# Altium PCB main.PcbDoc (part 2 of 2)
Units mm, origin at the board's own origin, x right, y up, seen from the top; angles counter-clockwise.
Board outline 50 x 45 mm, 4 copper layers (Top Layer, GND, PWR, Bottom Layer), stack 1.561 mm thick; 115 components, 52 nets, 345 pads, 209 vias.
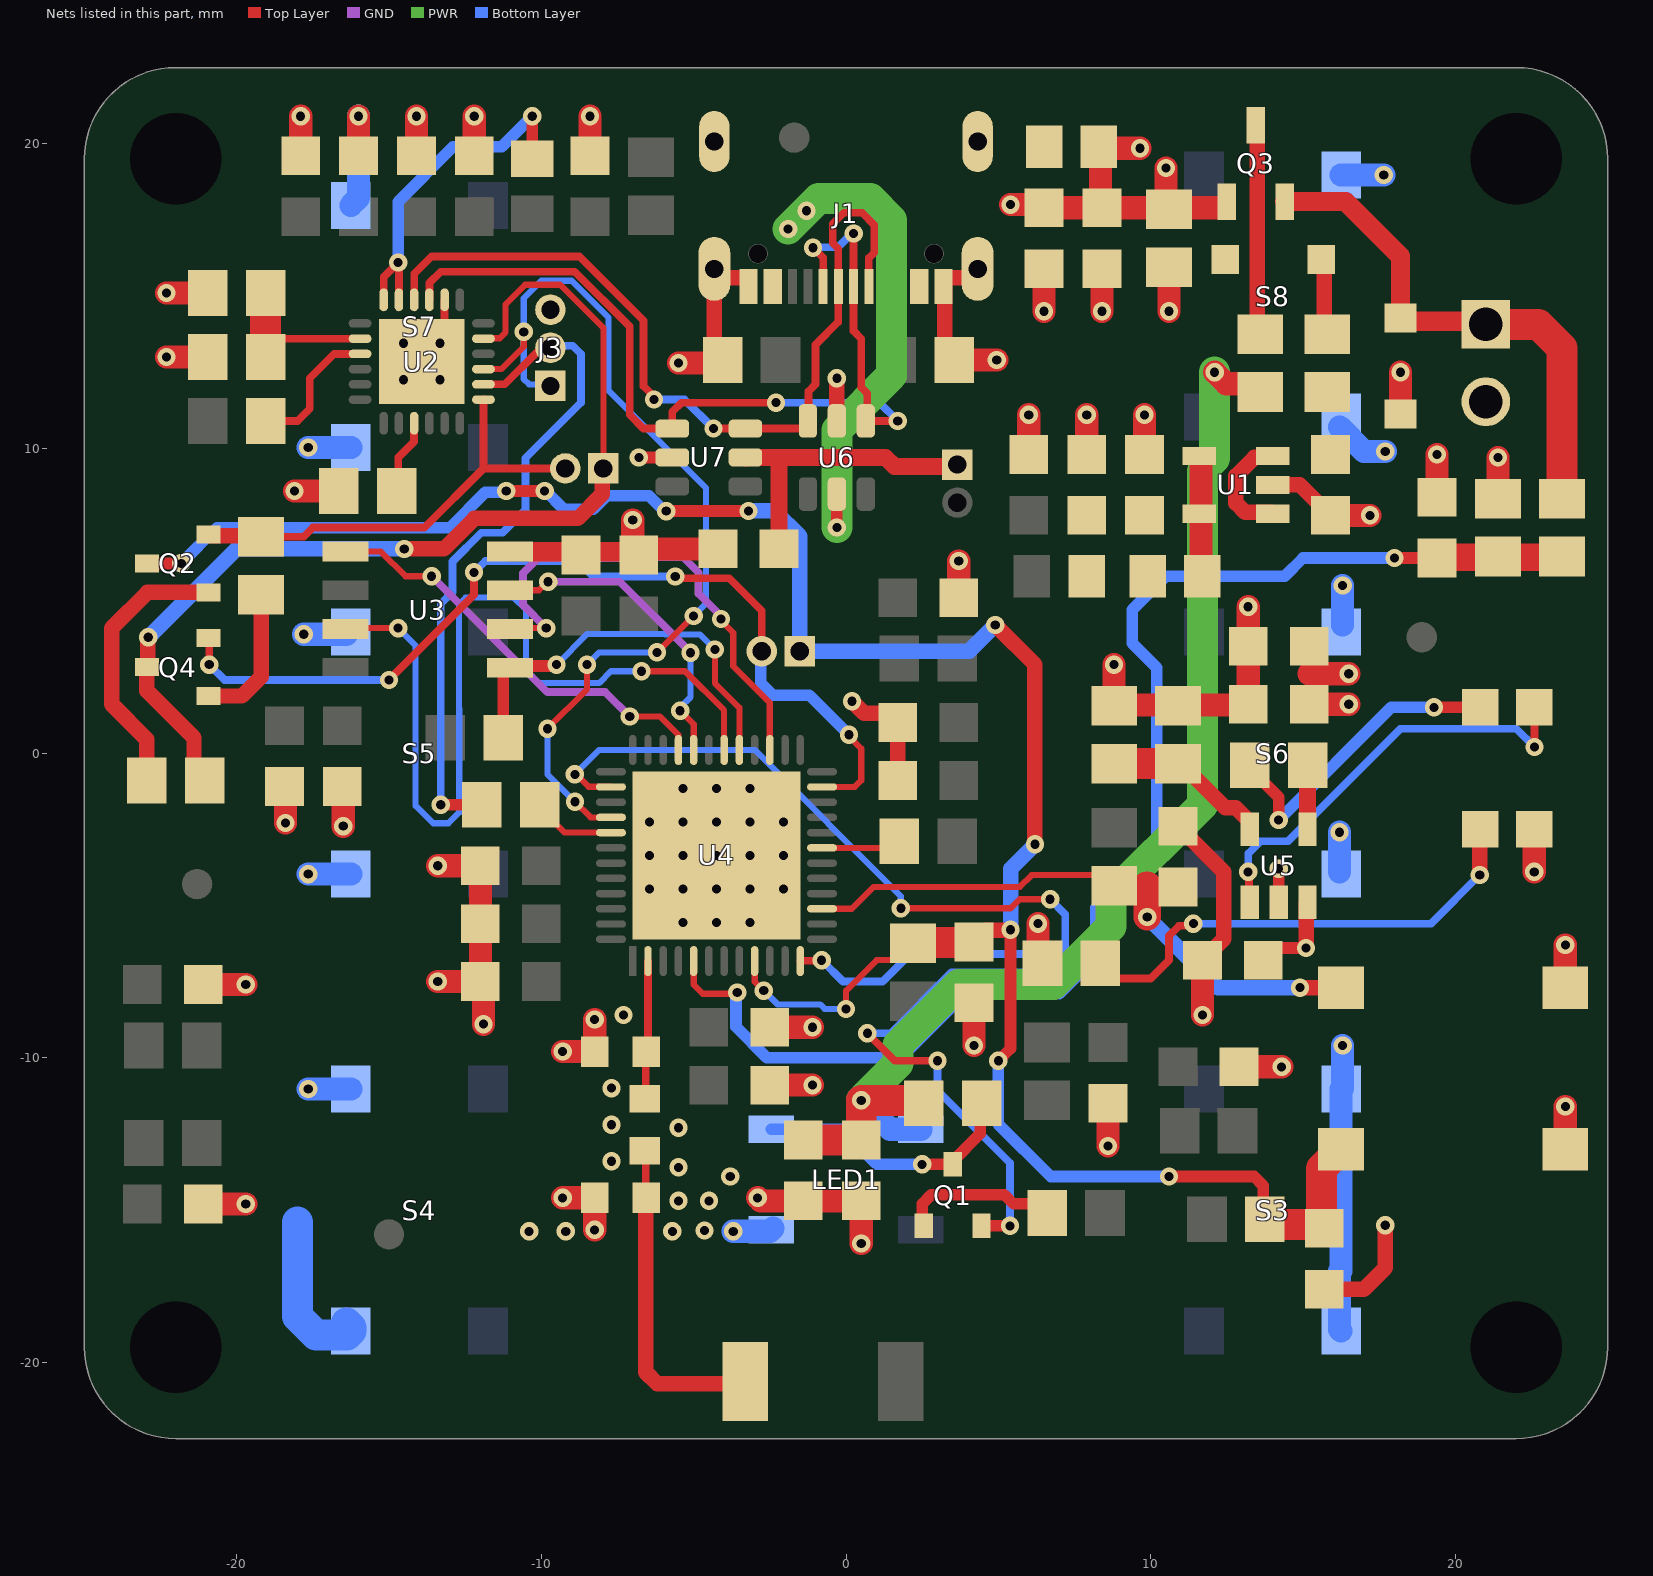
[diagram p4: the nets of this part, all layers, seen from the top]

## Via types
v1: diameter 0.6, hole 0.3, Top Layer to Bottom Layer, tented both sides, 183 vias
v2: diameter 0.66, hole 0.3, Top Layer to Bottom Layer, 21 vias
v3: diameter 0.6, hole 0.3, Top Layer to Bottom Layer, 4 vias
v4: diameter 0.6/0.6/0.6/0.6 (per signal layer), hole 0.3, Top Layer to Bottom Layer, tented both sides, 1 vias

## Nets (pads, with @x,y where several pads share a name; then routed paths per layer and width w, separated by ;. In a path a pad name is that pad's centre, name@x,y a point inside that pad or via, vN(x,y) a via of type N, cw(c..) or ccw(c..) an arc to the next point about the centre after c; other vN are vias at no path point) (continued)
D_LED: Q1.2 U4.38 | length 39.3
  Top Layer w0.203: v1(-8.9,-0.7) -8.856,-0.7 -8.451,-1.106 -7.721,-1.106 U4.38@-7.713,-1.113 ; v1(1.8,-5.097) 5.403,-5.097 5.7,-4.8 v1(6.7,-4.8)
  Top Layer w0.254: v1(0.7,-9.2) 1.6,-10.1 v1(3,-10.1)
  Top Layer w0.381: Q1.2@4.45,-15.52 v1(5.38,-15.52)
  Bottom Layer w0.203: v1(-8.9,-0.7) -8.1,0.1 -3,0.1 1.8,-4.7 v1(1.8,-5.097)
  Bottom Layer w0.254: v1(0.7,-9.2) 1.464,-9.2 3.464,-7.2 6.5,-7.2 7.2,-6.5 7.2,-5.3 v1(6.7,-4.8) ; v1(3,-10.1) 3,-11.073 5.38,-13.453 v1(5.38,-15.52)
D_N: J1.A7 J1.B7 U2.4 U6.3 U7.6 | length 28.5
  Top Layer w0.254: U2.4@-14.175,14.875 -14.175,15.725 -13.6,16.3 -8.753,16.3 -6.643,14.189 -6.643,12.036 -6.3,11.694 v1(-6.3,11.6) ; v1(-4.35,10.65) U7.6@-3.3,10.65 -1.421,10.65 -1.25,10.821 U6.3@-1.25,10.9 -1.229,10.921 -1.229,11.871 -1,12.1 -1,13.4 -0.25,14.15 J1.A7@-0.25,15.315 -0.25,16.55 -0.431,16.731 -0.431,17.369 -0.069,17.731 0.532,17.731 0.931,17.332 0.931,16.423 0.758,16.25 ; J1.B7@0.75,15.315 0.75,16.25
  Bottom Layer w0.254: v1(-6.3,11.6) -5.3,11.6 v1(-4.35,10.65)
D_P: J1.A6 J1.B6 U2.3 U6.1 U7.1 | length 30.9
  Top Layer w0.254: U2.3@-13.675,14.875 -13.67,14.88 -13.67,15.43 -13.3,15.8 -8.9,15.8 -7.1,14 -7.1,11.1 -6.65,10.65 U7.1@-5.7,10.65 -5.7,11.2 -5.4,11.5 v1(-2.3,11.5) ; v1(-1.085,16.585) -0.75,16.25 J1.B6@-0.75,15.315 ; v1(0.25,17.05) J1.A6@0.25,15.315 0.25,13.85 0.5,13.6 0.5,12 0.7,11.8 U6.1@0.7,11.2 ; U6.1@0.65,10.9 v1(1.7,10.9)
  Bottom Layer w0.254: v1(-2.3,11.5) 1.1,11.5 v1(1.7,10.9) ; v1(-1.085,16.585) -1.07,16.6 -0.263,16.6 0.187,17.05 v1(0.25,17.05)
DTR: J6.1 Q4.3 R32.2 U2.23 | length 33.6
  Top Layer w0.203: U2.23@-11.9,13.6 -11.885,13.615 -11.366,13.615 -11.181,13.8 -11.181,14.719 -10.532,15.368 -9.38,15.368 -7.964,13.952 J6.1@-7.964,9.34
  Top Layer w0.508: v1(-22.9,3.8) -22.918,3.782 -22.918,2.848 Q4.3@-22.943,2.822 -22.943,2.043 -21.4,0.5 -21.4,-0.55 R32.2@-21.05,-0.9 ; v1(-14.5,6.7) -13.2,6.7 -12.2,7.7 -8.8,7.7 -8,8.5 -8,9.304 J6.1@-7.964,9.34
  Bottom Layer w0.508: v1(-22.9,3.8) -20,6.7 v1(-14.5,6.7)
GND: C1.1 C2.1 C3.1 C4.1 C5.1 C6.1 C7.1 C8.1 C9.1 C10.1 C11.1 C12.1 C13.1 C14.1 C15.1 C16.1 C17.1 C18.1 C19.1 C20.1 C21.1 C22.1 C23.1 C24.1 C25.1 C26.1 C27.1 C28.1 C29.1 C30.1 C31.1 C32.1 C33.1 C34.1 C35.1 C36.1 C37.1 C38.1 C39.1 D2.1 DS1.K J1.A1_B12 J1.B1_A12 J1.S1 J1.S2 J1.S3 J1.S4 J2.2 J3.3 LED1.3 R4.2 R5.2 R15.1 R17.2 R19.2 R21.1 R29.1 R31.2 S1.2 S2.2 S3.3 S3.4 S4.3 S4.4 S5.3 S5.4 S6.3 S6.4 S7.3 S7.4 S8.3 S8.4 U1.2 U2.2 U2.25 U3.4 U4.49 U5.2 U6.2 U7.2 | length 139.6
  Top Layer w0.254: U2.25@-13.175,14 U2.2@-13.175,14.875
  Top Layer w0.305: R5.2@-4.15,12.8 R5.2@-4.05,12.9 ; J1.S1@4.019,16.329 J1.S1@4.478,16.329
  Top Layer w0.381: v1(-6.8,9.7) U7.2@-5.7,9.7 ; U5.2@14.2,-5.2 U5.2@14.2,-4.9 v1(14.2,-3.8)
  Top Layer w0.508: J1.S4@-4.32,15.89 -4.32,13.17 R5.2@-4.05,12.9 ; J1.S4@-4.07,15.603 -3.246,15.603 -3.2,15.557 J1.B1_A12@-3.2,15.315 ; U6.2@-0.3,10.9 v1(-0.3,12.3) ; v1(0.2,1.7) 0.6,1.3 1.4,1.3 C20.1@1.7,1 C19.1@1.7,-0.9 ; R4.2@3.55,12.9 3.246,13.204 3.246,15.269 J1.A1_B12@3.2,15.315 3.2,15.557 3.246,15.603 4.07,15.603 4.32,15.853 J1.S1@4.32,15.89 ; C21.1@10.9,-2.4 12.4,-3.9 12.4,-6.1 C9.1@11.7,-6.8 ; U1.2@14,8.8 14.9,8.8 C8.1@15.9,7.8 ; C33.1@15.7,-17.6 17,-17.6 17.7,-16.9 v1(17.7,-15.5)
  Top Layer w0.635: U3.4@-11.031,6.61 C7.1@-7.3,6.61
  Top Layer w0.762: v1(-22.3,13) R31.2@-20.9,13 ; C30.1@-21.1,-14.8 v1(-19.7,-14.8) ; C32.1@-21.1,-7.6 v1(-19.7,-7.6) ; v1(-18.4,-2.3) C22.1@-18.4,-0.9 ; v1(-18.1,8.6) R29.1@-16.7,8.6 ; C1.1@-17.9,19.5 v1(-17.9,20.9) ; v1(-16.5,-2.4) C11.1@-16.5,-1 ; C38.1@-16,19.5 v1(-16,20.9) ; C17.1@-14.1,19.5 v1(-14.1,20.9) ; v1(-13.4,-7.5) C12.1@-12,-7.5 C14.1@-12,-5.6 C13.1@-12,-3.7 v1(-13.4,-3.7) ; C16.1@-12.2,19.5 v1(-12.2,20.9) ; v1(-11.9,-8.9) C12.1@-11.9,-7.5 ; v1(-9.3,-14.6) C23.1@-8.25,-14.6 v1(-8.25,-15.65) ; v1(-9.3,-9.8) C24.1@-8.25,-9.8 v1(-8.25,-8.75) ; C35.1@-8.4,19.5 v1(-8.4,20.9) ; C7.1@-7,6.25 v1(-7,7.65) ; C7.1@-6.8,6.3 -6.8,6.446 -6.546,6.7 C39.1@-4.2,6.7 C39.1@-4.25,6.65 ; v1(-5.5,12.8) R5.2@-4.15,12.8 ; v1(-2.9,-14.6) -2.8,-14.7 C2.1@-1.4,-14.7 C28.1@0.5,-14.7 v1(0.5,-16.1) ; C5.1@-2.5,-10.9 v1(-1.1,-10.9) ; C4.1@-2.5,-9 v1(-1.1,-9) ; C34.1@3.7,4.9 v1(3.7,6.3) ; R4.2@3.9,12.9 v1(4.95,12.9) ; v1(4.2,-9.6) C6.1@4.2,-8.2 ; C26.1@6,9.7 v1(6,11.1) ; v1(6.5,14.5) C36.1@6.5,15.9 ; C25.1@7.9,9.7 v1(7.9,11.1) ; v1(8.4,14.5) C37.1@8.4,15.9 ; v1(8.6,-12.9) C31.1@8.6,-11.5 ; v1(8.8,2.9) R19.2@8.8,1.55 8.825,1.575 13.175,1.575 C27.1@13.2,1.6 C10.1@13.2,3.5 v1(13.2,4.8) ; C3.1@9.8,9.7 v1(9.8,11.1) ; v1(10.6,14.5) R15.1@10.6,15.9 ; v1(11.7,-8.6) C9.1@11.7,-6.8 ; C29.1@12.9,-10.3 v1(14.3,-10.3) ; C8.1@15.8,7.8 v1(17.2,7.8) ; D2.1@18.2,11.1 v1(18.2,12.5) ; C15.1@19.4,8.4 v1(19.4,9.8) ; R21.1@21.4,8.3 v1(21.4,9.7) ; v1(22.589,-3.9) DS1.K@22.589,-2.5 ; S1.2@23.61,-13 v1(23.61,-11.6) ; S2.2@23.61,-7.7 v1(23.61,-6.3)
  Bottom Layer w0.762: v1(-17.8,3.9) S5.4@-16.4,3.9 ; v1(-17.65,-11.025) S4.4@-16.25,-11.025 ; v1(-17.65,-3.975) S5.3@-16.25,-3.975 ; v1(-17.65,10.025) S7.3@-16.25,10.025 ; S7.4@-16.25,17.975 -16,18.225 v1(-16,20.9) ; v1(-3.7,-15.7) -2.5,-15.7 LED1.3@-2.45,-15.65 LED1.3@-2.4,-15.6 ; 16.2,-17 16.2,-18.925 S3.4@16.25,-18.975 ; S6.4@16.2,-3.9 v1(16.2,-2.6) ; S8.4@16.2,10.7 17,9.9 v1(17.7,9.9) ; 16.25,-17 S3.3@16.25,-11.025 ; S8.3@16.25,18.975 v1(17.65,18.975) ; S3.3@16.3,-11 v1(16.3,-9.6) ; S6.3@16.3,4.2 v1(16.3,5.5)
  Bottom Layer w1.016: -18,-15.4 -18,-18.5 -17.4,-19.1 -16.375,-19.1 S4.3@-16.25,-18.975 -16.25,-18.85 S4.3@-16.392,-18.708
  other v1: -10.4,-15.7 -9.2,-15.7 -5.7,-15.7 -4.644,-15.675 -5.5,-14.7 -4.5,-14.7 -3.8,-13.9 -5.5,-13.6 -7.7,-13.4 -5.5,-12.3 -7.7,-12.2 -7.7,-11 -7.3,-8.6
  other v2: -5.35,-5.563 -4.25,-5.563 -3.15,-5.563 -6.45,-4.463 -5.35,-4.463 -4.25,-4.463 -3.15,-4.463 -2.05,-4.463 -6.45,-3.363 -5.35,-3.363 -4.25,-3.363 -3.15,-3.363 -2.05,-3.363 -6.45,-2.263 -5.35,-2.263 -4.25,-2.263 -3.15,-2.263 -2.05,-2.263 -5.35,-1.163 -4.25,-1.163 -3.15,-1.163
  other v3: -14.525,12.25 -13.325,12.25 -14.525,13.45 -13.325,13.45
GPIO0: J5.2 Q4.2 U4.23 | length 31
  Top Layer w0.203: U4.23@-0.787,-1.113 0.287,-1.113 0.5,-0.9 0.5,0.145 0.1,0.545 v1(0.1,0.6)
  Top Layer w0.254: Q4.2@-20.923,3.772 -20.9,3.748 v1(-20.9,2.9) ; v1(-15,2.4) -12.209,5.191 v1(-12.209,5.929) ; v1(-5.605,5.795) -5.544,5.735 -3.835,5.735 -2.766,4.666 J5.2@-2.766,3.34
  Bottom Layer w0.254: v1(-20.9,2.9) -20.4,2.4 v1(-15,2.4) ; v1(-12.209,5.929) -11.838,6.3 -8.8,6.3 -8.295,5.795 v1(-5.605,5.795)
  Bottom Layer w0.381: J5.2@-2.766,3.34 -2.8,3.306 -2.8,2.3 -2.4,1.9 -1.2,1.9 v1(0.1,0.6)
GPIO7: U3.3 U4.32 | length 10.5
  Top Layer w0.203: U3.3@-11.031,5.34 -10.079,5.34 -9.795,5.624 v1(-9.776,5.624) ; v1(-5.444,1.389) -5,0.945 U4.32@-5,0.1
  GND w0.254: v1(-9.776,5.624) -7.425,5.624 -5.102,3.3 v1(-5.102,3.29)
  Bottom Layer w0.203: v1(-5.444,1.389) -5.444,1.496 -5.102,1.839 v1(-5.102,3.29)
GPIO8: U3.5 U4.33 | length 14.3
  Top Layer w0.203: U3.5@-16.431,6.61 -15.265,6.61 -14.455,5.8 v1(-13.6,5.8) ; v1(-7.1,1.2) -6.111,1.2 -5.508,0.597 -5.508,0.108 U4.33@-5.5,0.1 U4.33@-5.5,0.482
  GND w0.254: v1(-13.6,5.8) -9.8,2 -7.9,2 v1(-7.1,1.2)
GPIO10: R22.1 U3.1 U4.29 | length 13.4
  Top Layer w0.203: U3.1@-11.25,2.581 U3.1@-11.031,2.8 ; v1(-4.305,3.4) -4.305,2.293 -3.5,1.489 U4.29@-3.5,0.1
  Top Layer w0.381: R22.1@-11.25,0.5 U3.1@-11.25,2.581 ; U3.1@-11.031,2.8 -10.973,2.858 -9.542,2.858 v1(-9.5,2.9)
  Bottom Layer w0.203: v1(-9.5,2.9) -8.49,3.91 -5.949,3.91 -5.935,3.895 -4.8,3.895 v1(-4.305,3.4)
GPIO11: U3.7 U4.30 | length 29.6
  Top Layer w0.203: U3.7@-16.431,4.07 -16.401,4.1 v1(-14.7,4.1) ; v4(-6.716,2.684) -5.284,2.684 -4,1.4 U4.30@-4,0.1
  Bottom Layer w0.203: v1(-14.7,4.1) -14.125,3.525 -14.125,-1.73 -13.551,-2.305 -13.049,-2.305 -12.695,-1.951 -12.695,1.458 -12.705,1.468 -12.705,4.876 -12.481,5.1 -10.9,5.1 -10.5,4.7 -10.5,2.7 -10.095,2.295 -8.105,2.295 -7.716,2.684 v4(-6.716,2.684)
GPIO17: U3.2 U4.27 | length 16.3
  Top Layer w0.203: U3.2@-11.031,4.07 -11.001,4.1 v1(-9.838,4.1) ; v1(-4.1,4.4) -4.1,4.345 -3.7,3.945 -3.7,2.851 -2.5,1.651 U4.27@-2.5,0.1
  GND w0.254: v1(-9.838,4.1) -10.6,4.862 -10.6,5.9 -10.1,6.4 -6.435,6.4 -6.409,6.425 -5.344,6.425 -4.839,5.921 -4.839,5.23 -4.1,4.491 v1(-4.1,4.4)
LEVEL_BAT: C15.2 R20.1 R21.2 U4.5 | length 44.4
  Top Layer w0.203: U4.5@-5,-6.827 -5,-7.6 -4.7,-7.9 -3.612,-7.9 v1(-3.569,-7.858)
  Top Layer w0.381: v1(18,6.4) C15.2@19.4,6.4
  Top Layer w0.635: C15.2@19.4,6.4 C15.2@19.425,6.425 ; R20.1@23.475,6.425 R20.1@23.5,6.45
  Top Layer w0.889: C15.2@19.425,6.425 R20.1@23.475,6.425
  Bottom Layer w0.381: v1@-3.612,-7.9 -3.612,-8.988 -2.6,-10 1.8,-10 3.9,-7.9 7,-7.9 8.2,-6.7 8.2,-5.084 10.2,-3.084 10.2,2.8 9.4,3.6 9.4,4.7 10.5,5.8 14.4,5.8 15,6.4 v1(18,6.4)
NetANT1_1: ANT1.1 C23.2 L1.1 | length 9.8
  Top Layer w0.254: C23.2@-6.575,-14.575 L1.1@-6.575,-13.075
  Top Layer w0.508: L1.1@-6.6,-13.05 L1.1@-6.575,-13.075 ; C23.2@-6.575,-14.575 C23.2@-6.55,-14.6 ; C23.2@-6.574,-14.7 -6.574,-20.326 -6.2,-20.7 -4.077,-20.7
NetC3_2: C3.2 C25.2 L2.1 L5.2
NetC21_2: C21.2 R2.1 S2.1 U4.15 | length 18.5
  Top Layer w0.203: U4.15@-0.787,-5.113 0.187,-5.113 0.906,-4.394 5.706,-4.394 6.095,-4.005 8.455,-4.005 R2.1@8.8,-4.35
  Top Layer w0.508: v1(14.9,-7.7) S2.1@16.244,-7.7
  Top Layer w0.889: v1(9.887,-5.384) 9.887,-4.412
  Top Layer w1.016: 9.875,-4.4 9.887,-4.412
  Bottom Layer w0.508: v1(9.887,-5.384) 12.202,-7.7 v1(14.9,-7.7)
NetC24_2: C24.2 L1.2 U4.2 | length 4.6
  Top Layer w0.254: L1.2@-6.575,-11.325 -6.575,-9.825 C24.2@-6.55,-9.8 -6.5,-9.75 U4.2@-6.5,-6.827
  Top Layer w0.508: L1.2@-6.6,-11.35 L1.2@-6.575,-11.325
NetD1_2: D1.2 R13.2 | length 2.5
  Top Layer w0.508: D1.2@15.6,16.2 15.7,16.1 15.7,13.85 R13.2@15.8,13.75
NetDS1_A: DS1.A R3.2 | length 16
  Top Layer w0.254: R3.2@8.35,-6.9 8.85,-7.4 10,-7.4 10.6,-6.8 10.6,-6 10.934,-5.666 11.334,-5.666 v1(11.4,-5.6) ; DS1.A@20.8,-2.511 DS1.A@20.811,-2.5
  Top Layer w0.508: v1(20.8,-4) DS1.A@20.8,-2.511
  Bottom Layer w0.254: v1(11.4,-5.6) 19.2,-5.6 v1(20.8,-4)
NetDS2_A: DS2.A R18.2 | length 10.3
  Top Layer w0.381: R18.2@13.25,-0.4 13.25,-0.5 14.2,-1.45 v1(14.2,-2.2) ; v1(19.3,1.5) DS2.A@20.811,1.5
  Bottom Layer w0.381: v1(14.2,-2.2) 17.9,1.5 v1(19.3,1.5)
NetDS2_K: DS2.K U5.1 | length 14.3
  Top Layer w0.254: v1(13.2,-3.9) 13.225,-3.925 13.225,-4.875 U5.1@13.25,-4.9 ; DS2.K@22.589,1.5 22.6,1.489 v1(22.6,0.2)
  Bottom Layer w0.254: v1(13.2,-3.9) 13.2,-3.3 13.608,-2.892 14.508,-2.892 18.2,0.8 22,0.8 v1(22.6,0.2)
NetL3_2: L3.2 U2.5 U2.6 | length 11.6
  Top Layer w0.254: U2.6@-15.175,14.875 -15.175,15.625 v1(-14.7,16.1) -14.675,16.075 U2.5@-14.675,14.875
  Top Layer w0.381: L3.2@-10.3,19.5 v1(-10.3,20.9)
  Bottom Layer w0.381: v1(-14.7,16.1) -14.7,18.1 -12.9,19.9 -11.3,19.9 v1(-10.3,20.9)
NetL5_1: L5.1 U1.4 U1.5 | length 3.9
  Top Layer w0.508: U1.4@11.6,9.75 11.604,9.75 U1.4@11.604,9.5 ; L5.1@11.65,5.85 L5.1@11.7,5.8
  Top Layer w0.762: L5.1@11.65,5.85 U1.4@11.65,9.454
NetLED1_4: LED1.4 Q1.3 R27.1 | length 8.8
  Top Layer w0.381: v1(2.5,-13.5) Q1.3@3.5,-13.5 3.5,-13.4 4.4,-12.5 4.4,-11.55 R27.1@4.45,-11.5
  Bottom Layer w0.381: LED1.4@-2.45,-12.35 -0.15,-12.35 1,-13.5 v1(2.5,-13.5)
NetQ1_1: Q1.1 R12.1 | length 5
  Top Layer w0.381: Q1.1@2.55,-15.52 2.5,-15.47 2.5,-14.8 2.8,-14.5 5.2,-14.5 5.5,-14.8 R12.1@6.5,-14.8
NetQ2_1: Q2.1 R32.1 | length 9.1
  Top Layer w0.508: R32.1@-22.95,-0.9 -22.95,0.45 -24.1,1.6 -24.1,4.1 -22.928,5.272 Q2.1@-20.923,5.272
NetQ3_3: Q3.3 R14.1 | length 6.9
  Top Layer w0.508: Q3.3@13.45,20.6 13.496,20.554 13.496,13.854 R14.1@13.6,13.75
NetQ4_1: Q4.1 R33.1 | length 4.7
  Top Layer w0.508: Q4.1@-20.923,1.872 -19.828,1.872 -19.2,2.5 R33.1@-19.2,5.2
NetR3_1: R3.1 U4.12 | length 10.8
  Top Layer w0.254: U4.12@-1.5,-6.827 -1.5,-6.82 -1.494,-6.814 -0.812,-6.814 v1(-0.799,-6.801) ; R3.1@6.45,-6.9 R3.1@6.5,-6.85
  Top Layer w0.762: v1(6.3,-5.6) 6.3,-6.65 R3.1@6.5,-6.85
  Bottom Layer w0.254: v1(-0.799,-6.801) -0.1,-7.5 1.2,-7.5 2.1,-6.6 6,-6.6 6.366,-6.234 6.366,-5.666 v1(6.3,-5.6)
NetR16_2: R16.2 U4.19 | length 2.6
  Top Layer w0.203: U4.19@-0.787,-3.113 R16.2@1.537,-3.113
  Top Layer w0.254: R16.2@1.537,-3.113 R16.2@1.75,-2.9
NetR17_1: R17.1 R19.1 U5.5 | length 5.5
  Top Layer w0.508: R17.1@10.9,-0.35 11,-0.35 12.45,-1.8 12.8,-1.8 13.25,-2.25 U5.5@13.25,-2.5
  Top Layer w1.016: R19.1@8.8,-0.35 R17.1@10.9,-0.35
NetR23_1: R23.1 U4.41 | length 2.8
  Top Layer w0.203: R23.1@-10.05,-1.7 -10.05,-1.8 -9.236,-2.613 U4.41@-7.713,-2.613
NetR28_1: R28.1 U2.9 | length 4.6
  Top Layer w0.254: R28.1@-19.05,10.9 -18,10.9 -17.6,11.3 -17.6,12.3 -16.8,13.1 U2.9@-15.95,13.1
NetR29_2: R29.2 U2.15 | length 2.5
  Top Layer w0.254: R29.2@-14.85,8.6 -14.7,8.75 -14.7,9.7 -14.18,10.22 -14.18,10.82 U2.15@-14.175,10.825
NetR30_1: R30.1 R31.1 U2.8 | length 5.4
  Top Layer w0.254: R31.1@-19.05,13.077 -18.527,13.6 U2.8@-15.95,13.6
  Top Layer w1.016: R31.1@-19.05,13 -19.05,13.077 R30.1@-19.05,15.1
RESET: C6.2 C33.2 J5.1 Q2.3 R1.2 R24.1 S1.1 U4.9 | length 77.8
  Top Layer w0.203: U4.9@-3,-6.827 -2.992,-6.834 -2.992,-7.508 v1(-2.7,-7.8) ; v1(0,-8.4) 0.005,-8.395 0.005,-7.795 1.002,-6.798 1.652,-6.798 R24.1@2.2,-6.25
  Top Layer w0.381: Q2.3@-22.943,6.222 v1@-21.822,6.222 ; v1(-11.152,8.6) v1(-9.891,8.6) ; v1(-5.9,7.938) -5.896,7.943 -3.204,7.943 v1(-3.2,7.947) ; v1(5,-10.1) 5.4,-9.7 v1(5.4,-5.8) ; v1(10.6,-13.9) 13.4,-13.9 13.7,-14.2 13.7,-15.25 R1.2@13.75,-15.3
  Top Layer w0.508: C6.2@4.2,-6.2 4.581,-5.819 5.356,-5.819 5.375,-5.8 v1(5.4,-5.8) ; v1(4.9,4.2) 6.2,2.9 v1(6.2,-2.994)
  Top Layer w1.016: R24.1@2.2,-6.25 2.225,-6.225 4.175,-6.225 C6.2@4.2,-6.2 ; R1.2@13.75,-15.3 13.75,-15.331 13.892,-15.473 15.573,-15.473 C33.2@15.7,-15.6 ; C33.2@15.6,-15.473 15.6,-13.644 16.002,-13.242 16.002,-13.192 16.194,-13 S1.1@16.244,-13
  Bottom Layer w0.203: v1(-2.7,-7.8) -2.248,-8.252 -0.852,-8.252 -0.704,-8.4 v1(0,-8.4)
  Bottom Layer w0.381: v1(-21.819,6.224) -20.644,7.4 -13,7.4 -11.842,8.558 -11.194,8.558 v1(-11.152,8.6) ; v1(-9.891,8.6) -9.859,8.6 -9.259,8 -8.3,8 -7.856,8.444 -6.465,8.444 -5.959,7.938 v1(-5.9,7.938) ; v1(5,-10.1) 5,-12.181 6.719,-13.9 v1(10.6,-13.9)
  Bottom Layer w0.508: v1(-3.2,7.947) -2.347,7.947 -1.516,7.116 J5.1@-1.516,3.34 4.04,3.34 v1(4.9,4.2) ; v1(5.4,-5.8) 5.4,-3.8 6.2,-3 v1(6.2,-2.994)
RTS: J6.2 Q2.2 R33.2 U2.19 | length 14.9
  Top Layer w0.254: R33.2@-19.2,7.1 -17.8,7.1 -17.5,7.4 -13.84,7.4 -11.9,9.34 ; U2.19@-11.9,11.6 -11.9,9.34 ; J6.2@-9.214,9.34 -11.9,9.34
  Top Layer w0.508: Q2.2@-20.923,7.172 -20.888,7.136 -19.236,7.136 R33.2@-19.2,7.1
RXD: J3.1 U2.21 U4.40 | length 31.5
  Top Layer w0.203: U2.21@-11.9,12.6 -11.311,12.6 -10.576,13.335 v1(-10.576,13.824) ; v1(-9.8,0.795) -9.8,0.8 -8.5,2.1 v1(-8.5,2.9) ; v1(-8.897,-1.6) -8.383,-2.113 U4.40@-7.713,-2.113 ; v1(-6.2,3.305) -5.005,4.5 v1(-5,4.5)
  Bottom Layer w0.203: v1(-9.8,0.795) -9.8,-0.697 v1(-8.897,-1.6) ; J3.1@-9.7,12.05 -9.75,12.1 -10.4,12.1 -10.576,12.276 v1(-10.576,13.824) -10.576,14.924 -10,15.5 -9,15.5 -7.8,14.3 -7.8,11.9 -4.6,8.7 -4.6,4.9 v1(-5,4.5) ; v1(-8.5,2.9) -8.1,3.3 -6.205,3.3 v1(-6.2,3.305)
TXD: J3.2 R23.2 U2.20 | length 22.3
  Top Layer w0.254: U2.20@-11.9,12.1 -11.2,12.1 -10.143,13.157 -9.843,13.157 J3.2@-9.7,13.3
  Top Layer w0.381: v1(-13.3,-1.7) R23.2@-11.95,-1.7
  Bottom Layer w0.254: v1(-13.3,-1.7) -13.3,4.9 -12.914,5.286 -12.914,6.286 -11.973,7.227 -11.273,7.227 -10.522,7.978 -10.522,9.678 -8.7,11.5 -8.7,13.1 -8.968,13.368 -9.632,13.368 J3.2@-9.7,13.3
VBAT: C9.2 D2.2 J2.1 Q3.2 R20.2 U5.3 | length 20.3
  Top Layer w0.381: C9.2@13.7,-6.8 14.1,-6.4 v1(15.1,-6.4)
  Top Layer w0.508: v1(15.1,-6.4) 15.1,-5.338 15.104,-5.334 15.104,-4.946 U5.3@15.15,-4.9
  Top Layer w0.635: Q3.2@14.4,18.1 16.4,18.1 18.2,16.3 D2.2@18.2,14.275 18.302,14.172 20.898,14.172 J2.1@21,14.07
  Top Layer w1.016: J2.1@21,14.07 22.73,14.07 23.5,13.3 R20.2@23.5,8.35
VBUS: C10.2 C27.2 C36.2 C37.2 C39.2 D1.1 J4.1 L4.2 Q3.1 R15.2 R18.1 R30.2 U5.4 U7.5 | length 27.6
  Top Layer w0.559: U7.5@-3.279,9.679 U7.5@-3.3,9.7 1.3,9.7 1.6,9.4 3.587,9.4 J4.1@3.656,9.469 ; C39.2@-2.5,6.8 -2.2,7.1 -2.2,9.5 ; U5.4@15.15,-2.5 R18.1@15.15,-0.4
  Top Layer w0.762: v1(-22.3,15.1) R30.2@-20.9,15.1 ; v1(5.4,18) C36.2@6.7,18 ; C36.2@6.5,17.9 C37.2@8.4,17.9 ; L4.2@8.3,19.9 8.35,19.85 8.35,17.95 C37.2@8.4,17.9 ; L4.2@8.35,19.85 v1(9.65,19.85) ; v1(10.5,19.2) 10.5,18.022 10.378,17.9 9.3,17.9 C37.2@8.4,17.9 ; R15.2@10.6,17.9 Q3.1@12.3,17.9 ; C27.2@15.2,1.6 v1(16.5,1.6) ; 15.2,2.6 v1(16.5,2.6)
VBUSIN: J1.A4_B9 J1.B4_A9 L4.1 U6.5 | length 16.4
  Top Layer w0.381: J1.B4_A9@-2.4,15.315 J1.B4_A9@-2.291,15.425 ; v1(-0.3,7.4) U6.5@-0.3,8.5 ; J1.A4_B9@2.29,15.425 J1.A4_B9@2.4,15.315
  PWR w1.016: v1(-1.9,17.2) v1(-1.3,17.8) -0.9,18.2 0.8,18.2 1.5,17.5 1.5,12.4 -0.3,10.6 v1(-0.3,7.4)
VIN: C2.2 C8.2 C28.2 LED1.1 R13.1 R14.2 R27.2 U1.1 U1.3 | length 43.8
  Top Layer w0.508: U1.1@14,7.85 13.954,7.896 13.104,7.896 12.8,8.2 12.8,9.097 13.407,9.704 13.954,9.704 U1.3@14,9.75
  Top Layer w0.762: v1(12.1,12.5) 12.481,12.119 13.331,12.119 R14.2@13.6,11.85
  Top Layer w1.016: C2.2@-1.4,-12.7 C28.2@0.5,-12.7 v1(0.5,-11.4) 2.408,-11.4 2.45,-11.442 R27.2@2.45,-11.7
  PWR w1.016: v1(0.5,-11.4) 1.711,-10.189 1.711,-9.589 3.7,-7.6 6.8,-7.6 8.7,-5.7 8.7,-4.7 11.7,-1.7 11.7,9.262 12.1,9.662 v1(12.1,12.5)
  Bottom Layer w0.762: v1(0.5,-11.4) 1.45,-12.35 LED1.1@2.45,-12.35
pads on no net: ANT1.2 FD1.0 FD2.0 FD3.0 FD4.0 J1. J1.A8 J1.B8 LED1.2 MH1.1 MH2.1 MH3.1 MH4.1 U2.1 U2.10 U2.11 U2.12 U2.13 U2.14 U2.16 U2.17 U2.18 U2.22 U2.24 U4.6 U4.7 U4.8 U4.10 U4.17 U4.18 U4.20 U4.21 U4.22 U4.26 U4.28 U4.34 U4.35 U4.36 U4.39 U4.42 U4.44 U4.45 U4.47 U4.48 U6.4 U6.6 U7.3 U7.4

## Polygon pours and split planes (outlines as drawn)
GND on Bottom Layer "GND_L04_P003" (solid, remove dead copper, pour order 3): -25.008,-16.108 -25.001,-16.1 25,-16.1 25,21.2 23.7,22.5 -23.6,22.5 -25,21.1 -25,-16.1
GND on Top Layer "GND_L01_P002" (solid, remove dead copper, pour order 2): -25.008,-16.108 -25.001,-16.1 25,-16.1 25,21.2 23.7,22.5 -23.6,22.5 -25,21.1 -25,-16.1
GND on GND "GND_L02_P001" (solid, remove dead copper, pour order 1): -25.008,-16.108 -25.001,-16.1 25,-16.1 25,21.2 23.7,22.5 -23.6,22.5 -25,21.1 -25,-16.1
+3V3 on PWR "+3V3_L03_P000" (solid, remove dead copper, pour order 0): -25.008,-16.108 -25.001,-16.1 25,-16.1 25,21.2 23.7,22.5 -23.6,22.5 -25,21.1 -25,-16.1

## Keep-outs
Keep-Out Layer:
  lines w0.254: 25,-25 25,19 ; 25,-19.5 cw(c22,-19.5) 22,-22.5 -22,-22.5 cw(c-22,-19.5) -25,-19.5 -25,19.5 cw(c-22,19.5) -22,22.5 22,22.5 cw(c22,19.5) 25,19.5

## Other copper
Top Layer:
  rectangle net NetC21_2: 9.4,-4.5 10.6,-3.8
  rectangle net VBUS: 14.602,0.1 15.8,3.014
  rectangle net +3V3: 5.6,5.8 6.6,7.6
  rectangle net NetC3_2: 7.4,5.2 10.4,8.4
  rectangle net VIN: 12.9,9.527 13.9,11.3
  rectangle net VIN: 13.514,9.527 16.5,12.4
  rectangle net VBAT: 18.6,14 20.4,14.7
  rectangle net VBUS: 6.3,17.3 12.3,18.5
  rectangle net VBUS: 12.1,16.6 12.7,17.7
  region net VBUSIN: -2.7,15.016 -2.7,15.8 -2.3,16.2 -2.3,17.7 -1.6,18.4 -1,18.4 -0.3,19.1 3.6,19.1 3.9,18.8 4.6,18.8 5.3,19.5 5.3,20.1 5.6,20.4 6.4,20.4 6.4,19.4 6.3,19.3 5.8,19.3 3.5,17 2.7,17 2.3,16.6 2.3,16.2 2.6,15.9 2.6,15.8 2.1,15.8 2.1,16 1.5,16.6 1.5,17.4 0.8,18.1 -0.5,18.1 -1.7,16.9 -1.7,16.4 -2.1,16 -2.1,15.616
PWR:
  region net VBUS: -19.4,14.2 -16.7,16.9 -5.1,16.9 -4.7,17.3 -2.814,17.3 -1.114,19 1.3,19 3,17.3 4.8,17.3 4.8,18.4 4.6,18.6 3.2,18.6 2.2,19.6 -1.2,19.6 -2.1,18.7 -20.2,18.7 -23.2,15.7 -23.2,14.6 -22.8,14.2
  region net VBUS: 15.6,5.7 15.6,5.8 16.4,6.6 16.4,18.4 15.7,19.1 15.4,18.8 15.2,18.8 15.2,5.1
  region net VBUS: 5.174,16.6 5.174,14.974 4.7,14.5 3.8,14.5 2.6,13.3 2.6,9.2 2.8,9 4.5,9 4.8,9.3 4.8,11.6 4.1,12.3 4.1,13.1 4.7,13.7 5.3,13.7 5.3,13.703 5.997,14.4 5.997,14.897 8,16.9
  region net VBUS: 17.4,1.1 16.6,0.3 14.8,0.3 14.2,0.9 14.2,13.7 11.3,16.6 5.174,16.6 4.4,17.374 4.4,18.5 6.6,20.7 14.1,20.7 15.7,19.1 15.7,5.3 17.4,3.6
  region net VBAT: 17.5,-6.9 19.4,-5 19.4,-2.5 21.8,-0.1 21.8,2.1 24.2,4.5 24.2,15 23.1,16.1 19.9,16.1 19.2,15.4 19.2,13.3 19.8,12.7 21.9,12.7 22.1,12.5 22.1,9.3 20.2,7.4 20.2,0.1 15.5,-4.6 14.5,-4.6 13.9,-5.2 13.9,-6.3 14.5,-6.9

## Silkscreen, mask and mechanical layers (free items; w line width, h text height)
Top Overlay:
  text "+       -" at 22.813,15.2 h2.03 r270
  text "GND" at -8.7,14.411 h1.02
  text "TX" at -8.7,13 h1.02
  text "RX" at -8.6,11.7 h1.02
  text "BAT" at 23.9,11.2 h1.52 r90
  text "5V+" at 1.947,10.9 h1.02 r270
  text "3V3+" at 1.889,8.463 h1.02 r270
  text "RTS" at -10.621,7.7 h1.02
  text "DTR" at -8.462,7.689 h1.02
  text "IO0  EN" at -3.7,1.611 h1.02
  text "CHARGE" at 18.8,-0.783 h1.52
  text "USER" at 20,-4.783 h1.52
  text "USER" at 18.2,-10.883 h1.52
  text "RESET" at 17.8,-16.183 h1.52
Bottom Overlay:
  drawing of 18 lines, arcs and shapes, not listed
Mechanical 1:
  the board outline again, w0.254
Drill Drawing:
  circle w0.254: c-22.344,36.742 r0.508
  circle w0.254: c-22.344,36.742 r0.847
  circle w0.254: c-22,19.5 r3.008
  circle w0.254: c-22,-19.5 r3.008
  circle w0.254: c22,-19.5 r3.008
  circle w0.254: c22,19.5 r3.007
  lines w0.254: -23.191,40.552 -22.344,39.705 -21.497,40.552 -22.344,41.398 -23.191,40.552 ; -23.191,43.515 -23.191,43.938 -22.767,44.362 -23.191,44.785 -23.191,45.208 -22.767,45.208 -22.344,44.785 -21.921,45.208 -21.497,45.208 -21.497,44.785 -21.921,44.362 -21.497,43.938 -21.497,43.515 -21.921,43.515 -22.344,43.938 -22.767,43.515 -23.191,43.515 ; -23.191,47.325 -22.344,47.748 -21.497,47.325 -21.921,48.172 -21.497,49.018 -22.344,48.595 -23.191,49.018 -22.767,48.172 -23.191,47.325 ; -23.191,52.828 -21.497,52.828 -22.344,51.135 -23.191,52.828 ; -23.191,55.368 -22.767,55.368 -22.344,54.945 -21.921,55.368 -21.497,55.368 -21.921,55.792 -21.497,56.215 -21.921,56.215 -22.344,56.638 -22.767,56.215 -23.191,56.215 -22.767,55.792 -23.191,55.368 ; -23.191,58.755 -21.497,58.755 -21.497,60.448 -23.191,60.448 -23.191,58.755
  lines w0.381: -24.71,34.752 319.668,34.752 ; -24.71,61.422 319.668,61.422 ; -10.717,30.942 -10.717,65.232 ; 4.519,30.942 4.519,65.232 ; 32.958,30.942 32.958,65.232 ; 45.808,30.942 45.808,65.232 ; 64.446,30.942 64.446,65.232 ; 102.535,30.942 102.535,65.232 ; 117.517,30.942 117.517,65.232 ; 136.46,30.942 136.46,65.232 ; 166.931,30.942 166.931,65.232 ; 188.617,30.942 188.617,65.232 ; 222.491,30.942 222.491,65.232 ; 256.364,30.942 256.364,65.232 ; 284.042,30.942 284.042,65.232 ; -24.71,30.942 319.668,30.942 319.668,65.232 -24.71,65.232 -24.71,30.942
  text "Symbol" at -22.424,62.565 h1.83
  text "Count" at -9.574,62.565 h1.83
  text "Hole Size" at 5.662,62.565 h1.83
  text "Plated" at 34.101,62.565 h1.83
  text "Hole Type" at 46.951,62.565 h1.83
  text "Drill Layer Pair" at 65.589,62.565 h1.83
  text "Via/Pad" at 103.678,62.565 h1.83
  text "Pad Shape" at 118.66,62.565 h1.83
  text "Template" at 137.603,62.565 h1.83
  text "Description" at 168.074,62.565 h1.83
  text "Hole Tolerance (+)" at 189.76,62.565 h1.83
  text "Hole Tolerance (-)" at 223.634,62.565 h1.83
  text "Hole Length" at 257.507,62.565 h1.83
  text "Routed Path Length" at 285.185,62.565 h1.83
  text "2" at -9.574,58.755 h1.52
  text "0.600mm (23.62mil)" at 5.662,58.755 h1.52
  text "NPTH" at 34.101,58.755 h1.52
  text "Round" at 46.951,58.755 h1.52
  text "Top Layer - Bottom Layer" at 65.589,58.755 h1.52
  text "Pad" at 103.678,58.755 h1.52
  text "Rounded" at 118.66,58.755 h1.52
  text "c65hn60" at 137.603,58.755 h1.52
  text "-" at 257.507,58.755 h1.52
  text "-" at 285.185,58.755 h1.52
  text "2" at -9.574,54.945 h1.52
  text "0.600mm (23.62mil)" at 5.662,54.945 h1.52
  text "PTH" at 34.101,54.945 h1.52
  text "Slot" at 46.951,54.945 h1.52
  text "Top Layer - Bottom Layer" at 65.589,54.945 h1.52
  text "Pad" at 103.678,54.945 h1.52
  text "Rounded" at 118.66,54.945 h1.52
  text "r200_100h60_140r100" at 137.603,54.945 h1.52
  text "1.400mm (55.12mil)" at 257.507,54.945 h1.52
  text "0.800mm (31.50mil)" at 285.185,54.945 h1.52
  text "2" at -9.574,51.135 h1.52
  text "0.600mm (23.62mil)" at 5.662,51.135 h1.52
  text "PTH" at 34.101,51.135 h1.52
  text "Slot" at 46.951,51.135 h1.52
  text "Top Layer - Bottom Layer" at 65.589,51.135 h1.52
  text "Pad" at 103.678,51.135 h1.52
  text "Rounded" at 118.66,51.135 h1.52
  text "r210_105h60_170r100" at 137.603,51.135 h1.52
  text "1.700mm (66.93mil)" at 257.507,51.135 h1.52
  text "1.100mm (43.31mil)" at 285.185,51.135 h1.52
  text "2" at -9.574,47.325 h1.52
  text "1.100mm (43.31mil)" at 5.662,47.325 h1.52
  text "PTH" at 34.101,47.325 h1.52
  text "Round" at 46.951,47.325 h1.52
  text "Top Layer - Bottom Layer" at 65.589,47.325 h1.52
  text "Pad" at 103.678,47.325 h1.52
  text "(Mixed)" at 118.66,47.325 h1.52
  text "(Mixed)" at 137.603,47.325 h1.52
  text "-" at 257.507,47.325 h1.52
  text "-" at 285.185,47.325 h1.52
  text "4" at -9.574,43.515 h1.52
  text "3.000mm (118.11mil)" at 5.662,43.515 h1.52
  text "PTH" at 34.101,43.515 h1.52
  text "Round" at 46.951,43.515 h1.52
  text "Top Layer - Bottom Layer" at 65.589,43.515 h1.52
  text "Pad" at 103.678,43.515 h1.52
  text "Rounded" at 118.66,43.515 h1.52
  text "c0h300" at 137.603,43.515 h1.52
  text "-" at 257.507,43.515 h1.52
  text "-" at 285.185,43.515 h1.52
  text "9" at -9.574,39.705 h1.52
  text "0.600mm (23.62mil)" at 5.662,39.705 h1.52
  text "PTH" at 34.101,39.705 h1.52
  text "Round" at 46.951,39.705 h1.52
  text "Top Layer - Bottom Layer" at 65.589,39.705 h1.52
  text "Pad" at 103.678,39.705 h1.52
  text "(Mixed)" at 118.66,39.705 h1.52
  text "(Mixed)" at 137.603,39.705 h1.52
  text "-" at 257.507,39.705 h1.52
  text "-" at 285.185,39.705 h1.52
  text "209" at -9.574,35.895 h1.52
  text "0.300mm (11.81mil)" at 5.662,35.895 h1.52
  text "PTH" at 34.101,35.895 h1.52
  text "Round" at 46.951,35.895 h1.52
  text "Top Layer - Bottom Layer" at 65.589,35.895 h1.52
  text "Via" at 103.678,35.895 h1.52
  text "Rounded" at 118.66,35.895 h1.52
  text "(Mixed)" at 137.603,35.895 h1.52
  text "-" at 257.507,35.895 h1.52
  text "-" at 285.185,35.895 h1.52
  text "230 Total" at -9.574,32.085 h1.52
  text "Slot definitions :" at -22.424,28.403 h1.52
  text "Routed Path Length" at 3.807,28.403 h1.52
  text "= Calculated from tool start centre position to tool end centre position." at 31.815,28.403 h1.52
  text "Hole Length" at 3.807,25.863 h1.52
  text "= Routed Path Length + Tool Size = Slot length as defined in the PCB layout" at 21.404,25.863 h1.52

## Dimensions
22,-22.5 to 22,22.5 on Drill Drawing
-25,-19.5 to 25,-19.5 on Drill Drawing

## Text inside footprints (layer, text, board x,y; h text height)
Designator1: Top Layer "1" at 14.645,-21.816 h1.02; GND "2" at 15.454,-21.816 h1.02; PWR "3" at 16.624,-21.836 h1.02; Bottom Layer "4" at 18.414,-21.836 h1.02
DS1: Top Overlay "K" at 24.425,-2.25 h0.56 r180; Top Overlay "A" at 19.713,-2.325 h0.51 r180
DS2: Top Overlay "A" at 19.713,1.675 h0.51 r180; Top Overlay "K" at 24.425,1.75 h0.56 r180
J1: Mechanical 13 "PCB EDGE" at -6.035,21.913 h0.41 r180